# Altium PCB BSU.PcbDoc (part 3 of 3)
Units mm, origin at the board's own origin, x right, y up, seen from the top; angles counter-clockwise.
Board outline 255 x 100 mm, 4 copper layers (Top Cu, PWR, GND, Bottom Cu), stack 1.586 mm thick; 353 components, 279 nets, 1164 pads, 377 vias.
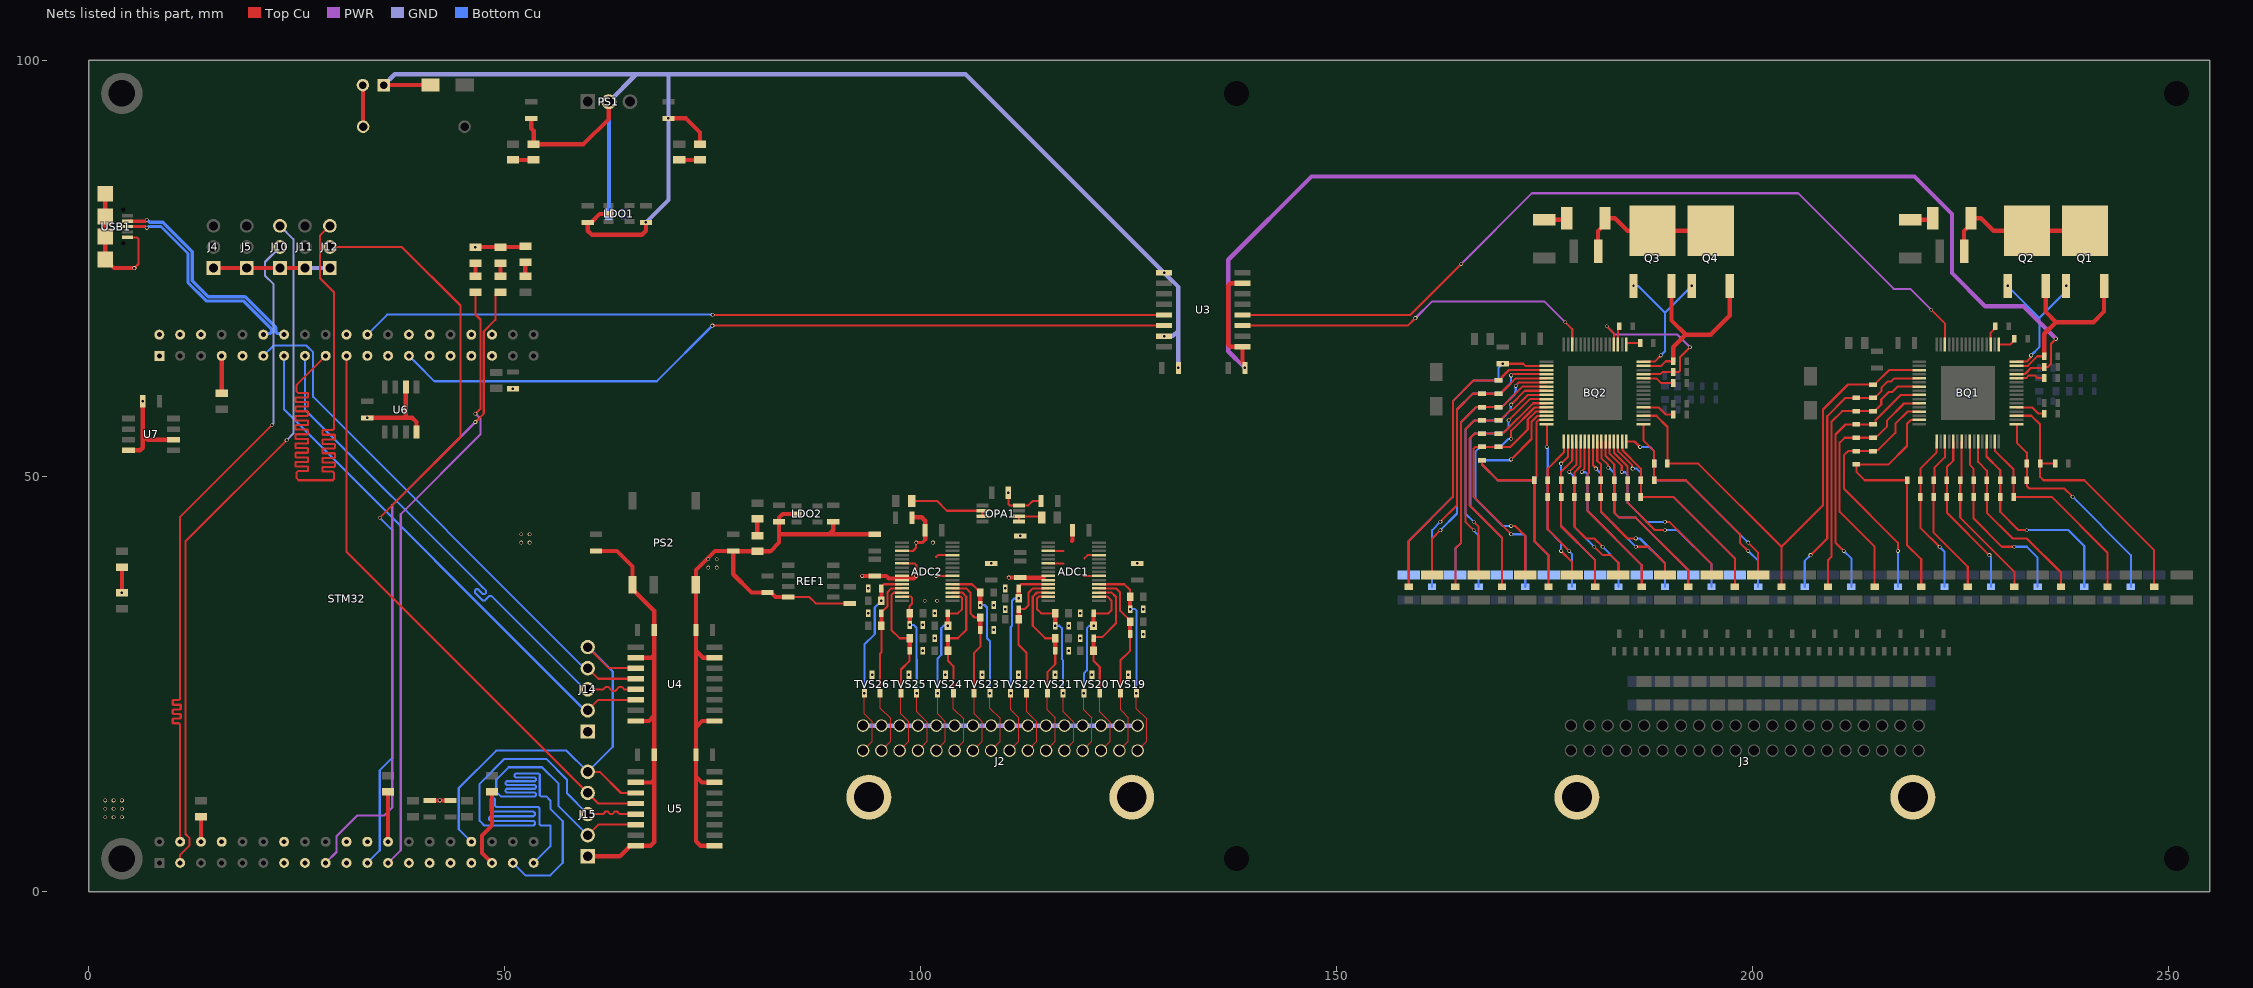
[diagram p5: the nets of this part, all layers, seen from the top]

## Via types
v1: diameter 0.45, hole 0.3, Top Cu to Bottom Cu, tented both sides, 364 vias
v2: diameter 0.45, hole 0.3, Top Cu to Bottom Cu, 13 vias

## Nets (pads, with @x,y where several pads share a name; then routed paths per layer and width w, separated by ;. In a path a pad name is that pad's centre, name@x,y a point inside that pad or via, vN(x,y) a via of type N, cw(c..) or ccw(c..) an arc to the next point about the centre after c; other vN are vias at no path point) (continued)
CB17: BQ2.32 C98.2 C99.1 R66.2 | length 26.1
  Top Cu w0.254: BQ2.32@184.85,54.162 185.838,54.162 v1(186.5,53.5) ; v1(199.5,42) 200.7,40.8 R66.2@200.7,38.1
  Bottom Cu w0.254: v1(186.5,53.5) 187.7,53.5 188.2,53 C98.2@188.2,51.5 C99.1@188.2,49.5 192,49.5 v1(199.5,42)
CB18: BQ2.30 C99.2 C100.1 R67.2 | length 24.5
  Top Cu w0.254: BQ2.30@183.85,54.162 183.873,54.139 183.873,52.985 185.553,51.305 185.553,50.947 v1(185.6,50.9)
  Bottom Cu w0.254: v1(185.6,50.9) 186.1,50.9 186.6,50.4 C99.2@186.6,49.5 C100.1@186.6,47.5 190.5,47.5 197.9,40.1 R67.2@197.9,38.1
CB19: BQ2.28 C100.2 C101.1 R68.2 | length 23
  Top Cu w0.254: BQ2.28@182.85,54.162 182.85,52.697 184.3,51.247 v1(184.3,50.5) ; v1(189.5,44.5) 190,44.5 195.1,39.4 R68.2@195.1,38.1
  Bottom Cu w0.254: v1(184.3,50.5) 184.347,50.453 184.747,50.453 184.998,50.202 184.998,49.502 C101.1@185,49.5 C100.2@185,47.5 185.002,47.498 185.002,46.798 187.3,44.5 v1(189.5,44.5)
CB20: BQ2.26 C101.2 C102.1 R69.2 | length 21.6
  Top Cu w0.254: BQ2.26@181.85,54.162 181.85,52.15 182.658,51.342 182.658,51.042 v1(182.7,51)
  Bottom Cu w0.254: v1(182.7,51) 182.767,51 183.4,50.367 C102.1@183.4,47.5 183.4,45.6 184,45 186,45 189,42 192.3,38.7 R69.2@192.3,38.1
CB21: BQ2.24 C102.2 C103.1 R70.2 | length 20.5
  Top Cu w0.254: BQ2.24@180.85,54.162 180.85,51.317 181.2,50.967 v1(181.2,50.9) ; v1(186,41.5) 187.5,41.5 189.5,39.5 R70.2@189.5,38.1
  Bottom Cu w0.254: v1(181.2,50.9) 181.8,50.3 C102.2@181.8,47.5 181.8,45.7 v1(186,41.5)
CB22: BQ2.22 C103.2 C104.1 R71.2 | length 19.4
  Top Cu w0.254: v1(179.5,50.5) 179.5,50.567 179.827,50.894 179.827,54.139 BQ2.22@179.85,54.162
  Bottom Cu w0.254: v1(179.5,50.5) 179.547,50.453 179.947,50.453 180.198,50.202 180.198,49.502 C103.2@180.2,49.5 C104.1@180.2,47.5 180.2,45.8 186.7,39.3 R71.2@186.7,38.1
CB23: BQ2.20 C104.2 C105.1 R72.2 | length 19.4
  Top Cu w0.254: v1(178,50.5) 178.85,51.35 BQ2.20@178.85,54.162 ; v1(181,41.5) 182,40.5 183,40.5 183.9,39.6 R72.2@183.9,38.1
  Bottom Cu w0.254: v1(178,50.5) 178.457,50.043 178.457,49.643 C105.1@178.6,49.5 C104.2@178.6,47.5 178.6,43.9 v1(181,41.5)
CB24: BQ2.18 C105.2 C106.1 R73.2 | length 18.1
  Top Cu w0.254: v1(177,51.5) 177.85,52.35 BQ2.18@177.85,54.162
  Bottom Cu w0.254: v1(177,51.5) C105.2@177,49.5 177,44 181.1,39.9 R73.2@181.1,38.1
CB25: BQ2.16 C106.2 C107.1 R74.2 | length 19.4
  Top Cu w0.254: BQ2.16@175.262,56.25 175.277,56.25 175.3,56.227 v1(175.3,53.5) ; v1(177,41) 178.3,39.7 R74.2@178.3,38.1
  Bottom Cu w0.254: v1(175.3,53.5) 175.3,53.447 175.4,53.347 C107.1@175.4,49.5 C106.2@175.4,47.5 175.4,43.6 177,42 v1(177,41)
CB26: BQ2.14 C107.2 C108.1 R75.2 | length 30.9
  Top Cu w0.254: v1(171,52) 173.454,54.454 173.454,56.534 174.147,57.227 175.239,57.227 BQ2.14@175.262,57.25
  Bottom Cu w0.254: v1(171,52) 170.947,52 170.847,51.9 C108.1@167.5,51.9 167.502,51.898 167.502,51.398 169.4,49.5 C107.2@173.8,49.5 173.8,42.2 175.5,40.5 R75.2@175.5,38.1
CB27: BQ2.12 C108.2 C109.1 R76.2 | length 29.5
  Top Cu w0.254: v1(171,44) 171.5,44 172.7,42.8 R76.2@172.7,38.1 ; v1(171,54.5) 171,55.442 173.808,58.25 BQ2.12@175.262,58.25
  Bottom Cu w0.254: v1(171,44) 170,44 166.703,47.297 166.703,52.903 167.3,53.5 C108.2@167.5,53.5 C109.1@169.5,53.5 169.7,53.5 170.663,54.462 170.962,54.462 v1(171,54.5)
CB28: BQ2.10 C109.2 C110.1 R77.2 | length 29.7
  Top Cu w0.254: v1(170.7,56.7) 173.25,59.25 BQ2.10@175.262,59.25
  Bottom Cu w0.254: R77.2@169.9,38.1 169.9,42.6 166.105,46.395 166.105,54.605 166.6,55.1 C110.1@167.5,55.1 C109.2@169.5,55.1 169.635,55.235 170.135,55.235 170.7,55.8 v1@170.7,56.698
CB29: BQ2.8 C110.2 C111.1 R78.2 | length 30.2
  Top Cu w0.254: v1(166.5,44.5) 167.1,43.9 R78.2@167.1,38.1 ; v1(171.008,58.592) 171.008,58.608 172.65,60.25 BQ2.8@175.262,60.25
  Bottom Cu w0.254: v1(166.5,44.5) 165.5,45.5 165.5,55.6 166.6,56.7 C110.2@167.5,56.7 169.7,56.7 169.843,56.843 170.961,57.961 170.961,58.545 v1(171.008,58.592)
CB30: BQ2.6 C111.2 C112.1 R79.2 | length 31.5
  Top Cu w0.254: v1(171.558,60.842) 171.558,60.905 171.903,61.25 BQ2.6@175.262,61.25
  Bottom Cu w0.254: R79.2@164.3,38.1 164.3,41.3 165,42 165,56.5 166.798,58.298 167.498,58.298 C112.1@167.5,58.3 C111.2@169.5,58.3 169.643,58.443 170.043,58.443 171.467,59.867 171.467,60.084 171.558,60.175 v1(171.558,60.842)
CB31: BQ2.4 C112.2 C113.1 R80.2 | length 34.2
  Top Cu w0.254: R80.2@161.5,38.1 161.5,42.5 v1(162.5,43.5) ; v1(171,62.1) 171.067,62.1 171.217,62.25 BQ2.4@175.262,62.25
  Bottom Cu w0.254: v1(162.5,43.5) 164.5,45.5 164.5,58 166.4,59.9 C112.2@167.5,59.9 C113.1@169.5,59.9 169.7,59.9 169.843,60.043 170.994,61.194 170.994,62.094 v1(171,62.1)
CB32: BQ2.2 C113.2 C131.1 R81.2 | length 37.2
  Top Cu w0.254: v1(170,63.5) 172.466,63.5 172.716,63.25 BQ2.2@175.262,63.25
  Bottom Cu w0.254: R81.2@158.7,38.1 158.7,42.2 164,47.5 164,59 166.5,61.5 C113.2@169.5,61.5 169.5,63 v1(170,63.5)
CVDD1: BQ1.45 C9.1 C26.2 U3.1 U3.7 | length 151
  Top Cu w0.254: BQ1.45@231.738,62.25 231.761,62.273 232.773,62.273 233.5,63 235,63 C9.1@235.1,63.1 235.5,63.1 235.9,63.5 235.9,65.9 v1(236.5,66.5)
  Top Cu w0.512: U3.7@138.725,73.175 137.3,73.175 137,72.875 137,65.855 137.3,65.555 U3.1@138.725,65.555 138.725,63.7 139,63.425 v1(139,63)
  PWR w0.512: v1(139,63) 137,65 137,76 147,86 219.5,86 224,81.5 224,74.4 228,70.4 232.6,70.4 v1(236.5,66.5)
CVDD2: BQ2.45 BQ2.52 C10.1 | length 21.4
  Top Cu w0.254: v1(182.5,68) 183.35,67.15 BQ2.52@183.35,65.838 ; BQ2.45@186.938,62.25 188.95,62.25 189.2,62.5 C10.1@190.5,62.5 191.151,62.5 191.3,62.649 191.3,64.3 v1(192.5,65.5)
  PWR w0.254: v1(182.5,68) 183.5,67 191,67 v1(192.5,65.5)
EADC1_MISO: J14.4 STM32.45 U4.6 | length 64.2
  Top Cu w0.254: J14.4@60,21.825 61.27,23.095 U4.6@65.775,23.095
  Bottom Cu w0.254: STM32.45@23.5,64.46 23.5,58 59.675,21.825 J14.4@60,21.825
EADC1_MOSI: J14.3 STM32.46 U4.5 | length 64.8
  Top Cu w0.254: J14.3@60,24.365 61.756,24.365 61.883,24.365 62.172,24.654 62.472,24.654 62.976,24.15 63.276,24.15 63.78,24.654 64.08,24.654 64.369,24.365 64.5,24.365 U4.5@65.775,24.365
  Bottom Cu w0.254: STM32.46@26,64.46 26,58 47,37 47.207,36.793 47.783,36.217 47.783,35.982 47.627,35.825 47.392,35.825 46.816,36.401 46.581,36.401 46.424,36.244 46.424,36.009 47.392,35.041 47.627,35.041 48.175,35.59 48.178,35.593 48.407,35.593 48.41,35.59 48.5,35.5 59.635,24.365 J14.3@60,24.365
EADC1_SCK: J14.2 STM32.44 U4.4 | length 65
  Top Cu w0.254: J14.2@60,26.905 61.27,25.635 U4.4@65.775,25.635
  Bottom Cu w0.254: STM32.44@21,64.46 22.24,65.7 26.147,65.7 26.981,64.866 26.981,59.519 59.172,27.328 59.179,27.328 59.602,26.905 J14.2@60,26.905
EADC2_MISO: J15.4 STM32.18 U5.6 | length 70.7
  Top Cu w0.254: J15.4@60,6.825 61.27,8.095 U5.6@65.775,8.095
  Bottom Cu w0.254: STM32.18@51,3.5 52.5,2 55.5,2 57,3.5 57,8.5 55.5,10 55.5,11 55,11.5 54.5,11.5 54.37,11.5 54.237,11.633 54.237,11.636 54.237,14.088 54.101,14.224 51.346,14.224 51.209,14.088 51.209,13.906 51.346,13.77 53.647,13.77 53.783,13.634 53.783,13.452 53.647,13.316 50.263,13.316 50.127,13.18 50.127,12.998 50.263,12.862 53.647,12.862 53.783,12.726 53.783,12.544 53.647,12.408 50.263,12.408 50.127,12.272 50.127,12.09 50.263,11.954 53.647,11.954 53.783,11.818 53.783,11.636 53.647,11.5 50,11.5 49.55,11.5 49,12.05 49,13.5 50.5,15 54.5,15 56.5,13 56.5,10.325 J15.4@60,6.825
EADC2_MOSI: J15.3 STM32.19 U5.5 | length 70
  Top Cu w0.254: J15.3@60,9.365 61.7,9.365 61.827,9.365 62.138,9.676 62.392,9.676 62.703,9.365 62.957,9.365 63.267,9.676 63.521,9.676 63.832,9.365 64,9.365 U5.5@65.775,9.365
  Bottom Cu w0.254: STM32.19@53.5,3.5 55.5,5.5 55.5,8 54.5,8 54.369,8 54.207,8.162 54.207,8.166 54.207,10.05 54.041,10.216 49.013,10.216 48.847,10.382 48.847,11.158 48.681,11.324 48.459,11.324 48.293,11.158 48.293,9.828 48.459,9.662 53.487,9.662 53.653,9.496 53.653,9.274 53.487,9.108 48.293,9.108 48.127,8.942 48.127,8.72 48.293,8.554 53.487,8.554 53.653,8.388 53.653,8.166 53.487,8 48,8 47.562,8 47,8.562 47,13 50,16 55,16 57.5,13.5 57.5,11.865 J15.3@60,9.365
EADC2_SCK: J15.2 STM32.48 U5.4 | length 70.9
  Top Cu w0.254: STM32.48@31,64.46 31,40.905 J15.2@60,11.905 61.27,10.635 U5.4@65.775,10.635
EADC_CS: J14.1 J15.1 STM32.35 U4.3 U5.3 | length 56.7
  Top Cu w0.254: J15.1@60,14.445 61.457,14.445 63.997,11.905 U5.3@65.775,11.905 ; J14.1@60,29.445 62.54,26.905 U4.3@65.775,26.905
  Bottom Cu w0.254: STM32.35@46,6.04 44.5,7.54 44.5,12.5 49,17 57.445,17 J15.1@60,14.445 63,17.445 63,26.5 60.055,29.445 J14.1@60,29.445
GND: C17.1 C18.1 C19.1 C20.1 C21.1 C25.1 C27.1 C29.1 C30.1 C32.1 C62.1 C63.1 C64.1 D1.2 J1.2 J4.3 J5.3 J10.3 J11.3 J12.3 J14.5 J15.5 LDO1.2 LED1.1 LED2.1 LED4.1 LED5.1 LED6.1 NTC1.1 NTC2.1 NTC3.1 PS1.2 PS2.1 STM32.10 STM32.23 STM32.29 STM32.30 STM32.43 STM32.67 STM32.73 U3.9 U3.15 U4.2 U4.8 U5.2 U5.8 U6.2 U6.8 U7.2 U7.8 USB1.5 USB1.MP1 USB1.MP2 USB1.MP3 USB1.MP4 | length 315.3
  Top Cu w0.254: USB1.5@4.675,78.7 5.8,78.7 6,78.5 6,75.5 v1(5.5,75)
  Top Cu w0.512: USB1.MP1@2,83.95 USB1.MP2@2,81.2 USB1.MP3@2,78.8 USB1.MP4@2,76.05 3.05,75 v1(5.5,75) ; v1(4,35.95) NTC2.1@4,39.05 ; U7.8@4.775,53.095 6.195,53.095 6.5,53.4 6.5,54.975 ; v1(6.5,59) 6.5,54.975 ; U7.2@10.225,54.365 7.11,54.365 6.5,54.975 ; J4.3@15,75 J5.3@19,75 J10.3@23,75 J11.3@26,75 ; v1(33.5,57) 38.022,57 ; J1.2@35.5,97 D1.2@41.1,97 ; U6.2@38.135,60.725 38.135,57.113 38.022,57 ; U6.8@39.405,55.275 39.4,55.28 39.4,56.5 38.9,57 38.022,57 ; C62.1@41,11 v1(42.2,11) C63.1@43.5,11 ; v1(46.5,77.5) 46.55,77.55 52.45,77.55 LED6.1@52.5,77.6 ; C19.1@53.2,93 53.2,91.8 53.5,91.5 LED1.1@53.5,89.9 59.5,89.9 62.54,92.94 PS1.2@62.54,95 ; J15.5@60,4.285 63.855,4.285 65.125,5.555 U5.8@65.775,5.555 67.555,5.555 68,6 68,13.5 ; C21.1@61,41 63.5,41 65.38,39.12 PS2.1@65.38,36.95 65.38,36.4 68,33.78 C32.1@68,31.5 68,28.475 ; LDO1.2@62.5,81.55 62.456,81.506 61.431,81.506 60.425,80.5 C18.1@60,80.5 60,79.5 60.5,79 66.5,79 67,79.5 v1(67,80.5) ; U5.2@65.775,13.175 67.675,13.175 68,13.5 ; U4.8@65.775,20.555 67.355,20.555 68,21.2 ; U4.2@65.775,28.175 67.7,28.175 68,28.475 ; v1(69.7,93) 71.8,93 73.5,91.3 LED2.1@73.5,89.9 ; 68,13.5 C27.1@68,16.5 68,21.2 ; 68,21.2 68,28.475
  GND w0.512: J11.3@26,75 J12.3@29,75 ; J1.2@35.5,97 36.8,98.3 65.84,98.3 ; PS1.2@62.54,95 65.84,98.3 ; v1(67,80.5) 69.7,83.2 v1(69.7,93) 69.7,98.3 ; v1(129.275,66.825) 130.323,66.825 131,67.502 ; v1(131,63) 131,67.502 ; 65.84,98.3 69.7,98.3 ; 69.7,98.3 105.42,98.3 v1(129.275,74.445) 131,72.72 131,67.502
  Bottom Cu w0.512: PS1.2@62.54,95 62.545,94.995 62.545,81.505 NTC3.1@62.55,81.5
  other v1: 51,60.5
  other v2: 2,9 3,9 4,9 2,10 3,10 4,10 2,11 3,11 4,11 52,42 53,42 52,43 53,43
GPI_CH0: STM32.51 U3.14 | length 94.8
  Top Cu w0.254: v1@75,68.095 U3.14@129.275,68.095
  Bottom Cu w0.254: STM32.51@38.5,64.46 39.415,63.545 41.56,61.4 68.299,61.4 v1(74.994,68.095)
GPI_CH1: STM32.68 U3.13 | length 96.8
  Top Cu w0.254: v1(75,69.4) 75.018,69.383 129.258,69.383 U3.13@129.275,69.365
  Bottom Cu w0.254: STM32.68@33.5,67 35.9,69.4 v1(75,69.4)
GPI_CH2: STM32.60
GPI_CH3: STM32.74
GPO_CH0: STM32.71
GPO_CH1: STM32.70
GPO_CH2: STM32.59
GPO_CH3: STM32.49
GPO_CH4: STM32.50
GPO_CH5: STM32.55
HSE_IN: STM32.15
HSE_OUT: STM32.16
I2C_SCL: J12.1 STM32.47 | length 92.1
  Top Cu w0.254: STM32.47@28.5,64.46 25,60.96 25,60.472 25,60.156 25.149,60.007 26.31,60.007 26.365,59.952 26.365,59.508 26.31,59.453 24.907,59.453 24.852,59.398 24.852,58.954 24.907,58.899 26.31,58.899 26.365,58.844 26.365,58.4 26.31,58.345 24.907,58.345 24.852,58.29 24.852,57.846 24.907,57.791 26.31,57.791 26.365,57.736 26.365,57.292 26.31,57.237 24.907,57.237 24.852,57.182 24.852,56.738 24.907,56.683 26.31,56.683 26.365,56.628 26.365,56.184 26.31,56.129 24.907,56.129 24.852,56.074 24.852,55.63 24.907,55.575 26.31,55.575 26.365,55.52 26.365,55.076 26.31,55.021 24.907,55.021 24.852,54.966 24.852,54.522 24.907,54.467 26.31,54.467 26.365,54.412 26.365,53.968 26.31,53.913 24.907,53.913 24.852,53.858 24.852,53.414 24.907,53.359 26.31,53.359 26.365,53.304 26.365,52.86 26.31,52.805 24.907,52.805 24.852,52.75 24.852,52.306 24.907,52.251 26.31,52.251 26.365,52.196 26.365,51.752 26.31,51.697 24.907,51.697 24.852,51.642 24.852,51.198 24.907,51.143 26.31,51.143 26.365,51.088 26.365,50.644 26.31,50.589 25.149,50.589 25,50.44 25,49.759 25,49.749 25.249,49.5 29.351,49.5 29.5,49.649 29.5,50 29.5,50.381 29.351,50.529 28.16,50.529 28.105,50.585 28.105,51.028 28.16,51.083 29.541,51.083 29.596,51.139 29.596,51.582 29.541,51.637 28.16,51.637 28.105,51.693 28.105,52.136 28.16,52.191 29.541,52.191 29.596,52.247 29.596,52.69 29.541,52.745 28.16,52.745 28.105,52.801 28.105,53.244 28.16,53.299 29.541,53.299 29.596,53.355 29.596,53.798 29.541,53.853 28.16,53.853 28.105,53.909 28.105,54.352 28.16,54.407 29.541,54.407 29.596,54.463 29.596,54.906 29.541,54.961 28.16,54.961 28.105,55.017 28.105,55.46 28.16,55.515 29.351,55.515 29.5,55.664 29.5,56.345 29.5,72.1 27.794,73.806 27.794,78.874 J12.1@29,80.08
I2C_SDA: J12.2 STM32.11 | length 91.5
  Top Cu w0.254: J12.2@29,77.54 37.66,77.54 44.7,70.5 44.7,54.7 v1(35,45)
  Bottom Cu w0.254: STM32.11@33.5,3.5 35,5 35,14.625 36.5,16.125 36.5,43.5 v1(35,45)
LDOIN1: BQ1.47 C7.2 Q1.3 Q2.3 | length 22.8
  Top Cu w0.254: BQ1.47@231.738,63.25 233.107,63.25 234.257,64.4 C7.2@235.1,64.4
  Top Cu w0.512: C7.2@235.1,64.4 235.1,67.1 236.5,68.5 ; Q2.3@235.286,72.85 235.286,69.714 236.5,68.5 ; Q1.3@242.286,72.85 242.286,69.786 241,68.5 236.5,68.5
LDOIN2: BQ2.47 C8.2 Q3.3 Q4.3 | length 24
  Top Cu w0.254: BQ2.47@186.938,63.25 189.05,63.25 189.6,63.8 C8.2@190.5,63.8
  Top Cu w0.512: Q3.3@190.286,72.85 190.286,68.714 192,67 ; C8.2@190.5,63.8 190.5,65.5 192,67 ; Q4.3@197.286,72.85 197.286,69.286 195,67 192,67
LED_PWR: R8.2 STM32.12 | length 73.9
  Top Cu w0.254: v1(46.5,57.5) 47.1,58.1 47.1,68.826 46.5,69.426 R8.2@46.5,72.1
  PWR w0.254: STM32.12@36,3.5 37.519,5.019 37.519,45.419 47.106,55.006 47.106,56.894 v1(46.5,57.5)
LED_STS: R9.2 STM32.9 | length 79.4
  Top Cu w0.254: v1(46.5,56.5) 47.5,57.5 47.5,67.387 48.902,68.789 48.902,71.777 49.225,72.1 R9.2@49.5,72.1
  PWR w0.254: STM32.9@28.5,3.5 29.8,4.8 29.8,6.7 32.3,9.2 35.547,9.2 36.5,10.153 36.5,46.5 v1(46.5,56.5)
LSE_IN: STM32.13
LSE_OUT: STM32.14
NetBQ1_37: BQ1.37 C15.2 | length 3.7
  Top Cu w0.254: BQ1.37@231.738,58.25 233.65,58.25 234.4,57.5 C15.2@235.1,57.5
NetBQ1_44: BQ1.44 C11.2 | length 3.6
  Top Cu w0.254: BQ1.44@231.738,61.75 231.761,61.773 232.916,61.773 233.249,62.106 233.95,62.106 234.256,61.8 C11.2@235.1,61.8
NetBQ1_49: BQ1.49 C5.1 | length 2.2
  Top Cu w0.254: BQ1.49@229.65,65.838 231.038,65.838 231.5,66.3 C5.1@231.5,66.5
NetBQ1_51: BQ1.51 C3.1 | length 2.4
  Top Cu w0.254: BQ1.51@228.65,65.838 228.65,67.25 229.2,67.8 C3.1@229.2,68
NetBQ2_37: BQ2.37 C16.2 | length 3.9
  Top Cu w0.254: BQ2.37@186.938,58.25 188.749,58.25 189.599,57.4 C16.2@190.5,57.4
NetBQ2_44: BQ2.44 C12.2 | length 3.8
  Top Cu w0.254: BQ2.44@186.938,61.75 188.45,61.75 189,61.2 C12.2@190.5,61.2
NetBQ2_49: BQ2.49 C6.1 | length 1.8
  Top Cu w0.254: BQ2.49@184.85,65.838 184.85,65.977 184.873,66 C6.1@186.5,66
NetBQ2_51: BQ2.51 C4.1 | length 2.2
  Top Cu w0.254: BQ2.51@183.85,65.838 183.85,67.65 184,67.8 C4.1@184,68
NetC1_1: C1.1 Q1.4 Q2.4 R1.1 | length 18.7
  Top Cu w0.512: C1.1@225.45,77 225.45,79.475 226.3,80.325 R1.1@226.3,81 227.5,81 229,79.5 Q2.4@233,79.5 Q1.4@240,79.5
NetC2_1: C2.1 Q3.4 Q4.4 R3.1 | length 17.7
  Top Cu w0.512: C2.1@181.45,77 181.45,79.475 182.3,80.325 R3.1@182.3,81 183.5,81 185,79.5 Q3.4@188,79.5 Q4.4@195,79.5
NetJ3_MH1: J3.MH1 J3.MH2
NetLED1_2: LED1.2 R5.1 | length 2.5
  Top Cu w0.512: R5.1@51,88 LED1.2@53.5,88
NetLED2_2: LED2.2 R6.1 | length 2.5
  Top Cu w0.512: R6.1@71,88 LED2.2@73.5,88
NetLED3_2: LED3.2 R7.1 | length 2
  Top Cu w0.512: LED3.2@80.39,42.85 R7.1@80.39,44.85
NetLED4_2: LED4.2 R8.1 | length 1.6
  Top Cu w0.512: R8.1@46.5,74 LED4.2@46.5,75.6
NetLED5_2: LED5.2 R9.1 | length 1.6
  Top Cu w0.512: R9.1@49.5,74 LED5.2@49.5,75.6
NetLED6_2: LED6.2 R10.1 | length 1.7
  Top Cu w0.512: R10.1@52.5,74 LED6.2@52.5,75.7
NetOPA1_1: OPA1.1 OPA1.2 R11.1 | length 3.4
  Top Cu w0.254: OPA1.1@111.862,44.525 OPA1.2@111.862,45.175 111.878,45.159 114.391,45.159 R11.1@114.55,45
NetOPA1_6: OPA1.6 OPA1.7 R12.1 | length 9.6
  Top Cu w0.254: R12.1@98.95,47 102,47 103.175,45.825 OPA1.6@107.462,45.825 OPA1.7@107.462,45.175
NetR1_2: R1.2 R2.1 | length 2.8
  Top Cu w0.512: R2.1@219,80.8 221.5,80.8 R1.2@221.7,81
NetR3_2: R3.2 R4.1 | length 2.8
  Top Cu w0.254: R3.2@177.5,80.8 R3.2@177.7,81
  Top Cu w0.512: R4.1@175,80.8 R3.2@177.5,80.8
NetSB1_1: SB1.1 STM32.17 | length 9.5
  Top Cu w0.512: STM32.17@48.5,3.5 47.3,4.7 47.3,6.8 48.5,8 SB1.1@48.5,12.05
NetSB2_2: SB2.2 STM32.31 | length 6
  Top Cu w0.512: STM32.31@36,6.04 SB2.2@36,12.075
NetSB3_2: SB3.2 STM32.22 | length 3
  Top Cu w0.512: STM32.22@13.5,6.04 SB3.2@13.5,9.05
NetSB4_1: SB4.1 STM32.42 | length 4.5
  Top Cu w0.512: SB4.1@16,59.95 STM32.42@16,64.46
NFAULT1_HV: BQ1.62 U3.4 | length 99.3
  Top Cu w0.254: U3.4@138.881,69.36 158.86,69.36 v1(165,75.5) ; v1(221.5,70) 223.15,68.35 BQ1.62@223.15,65.838
  PWR w0.254: v1(165,75.5) 173.5,84 205.5,84 217,72.5 219,72.5 v1(221.5,70)
NFAULT2_HV: BQ2.62 U3.3 | length 43.9
  Top Cu w0.254: U3.3@138.881,68.09 158.59,68.09 v1(159.5,69) ; v1(177.5,68.5) 178.35,67.65 BQ2.62@178.35,65.838
  PWR w0.254: v1(159.5,69) 161.5,71 175,71 v1(177.5,68.5)
NPNB1: BQ1.48 Q1.1 Q2.1 | length 17.7
  Top Cu w0.254: BQ1.48@231.738,63.75 232.95,63.75 233.5,64.3 v1(233.5,64.5)
  Bottom Cu w0.254: v1(230.714,72.85) 230.714,72.797 230.812,72.699 230.812,72.688 234.5,69 ; v1(233.5,64.5) 234.5,65.5 234.5,69 ; v1(237.714,72.85) 237.714,72.214 234.5,69
NPNB2: BQ2.48 Q3.1 Q4.1 | length 17.4
  Top Cu w0.254: BQ2.48@186.938,63.75 188.25,63.75 v1(189,64.5)
  Bottom Cu w0.254: v1(185.714,72.85) 186.286,72.85 189.5,69.636 ; v1(189,64.5) 189.5,65 189.5,69.636 ; v1(192.714,72.85) 189.5,69.636
NRST: STM32.26
PWM_CH0: STM32.52
PWM_CH1: STM32.53
PWM_CH2: STM32.58
PWM_CH3: STM32.39
RTD0+: ADC1.20 C46.2 J2.17 R13.1 TVS19.2 | length 25
  Top Cu w0.15: v1(125.95,23.9) 125.95,22.048 127.2,20.798 127.2,18.1 J2.17@126.1,17
  Top Cu w0.254: ADC1.20@121.438,37 124.5,37 125.2,36.3 R13.1@125.2,35.5
  Top Cu w0.512: v1(125.2,34) R13.1@125.2,35.5
  Bottom Cu w0.254: v1(125.2,34) 125.8,34 125.95,33.85 v1(125.95,23.9)
RTD0-: ADC1.3 ADC1.6 ADC1.9 ADC1.10 ADC1.22 ADC1.27 ADC2.3 ADC2.6 ADC2.9 ADC2.10 ADC2.22 ADC2.27 C22.1 C23.1 C24.1 C28.1 C31.1 C33.2 C34.2 C35.2 C36.2 C37.1 C38.1 C39.2 C40.1 C41.1 C42.1 C43.1 C44.1 C45.1 C46.1 C47.1 C48.1 C49.1 C50.1 C51.1 C52.1 C53.1 C54.1 C55.1 C56.1 C57.1 C58.1 C59.1 C60.1 C61.1 J2.1 J2.2 J2.3 J2.4 J2.5 J2.6 J2.7 J2.8 J2.9 J2.10 J2.11 J2.12 J2.13 J2.14 J2.15 J2.16 J2.MH1 J2.MH2 LDO2.2 LED3.1 OPA1.4 PS2.4 REF1.4 TVS19.3 TVS20.3 TVS21.3 TVS22.3 TVS23.3 TVS24.3 TVS25.3 TVS26.3 U4.9 U4.15 U5.9 U5.15 | length 164.3
  Top Cu w0.254: REF1.4@84.1,35.46 86.64,35.46 87.4,34.7 C40.1@91.5,34.7 ; 97.762,37.7 ADC2.9@97.762,38 ; ADC2.6@97.762,39.5 99.3,39.5 99.5,39.3 v1(99.5,38) ; ADC2.3@97.762,41 99.1,41 99.462,41.362 99.462,41.962 v1(99.5,42) ; v1(101.9,38) ADC2.22@103.838,38 ; 101.9,40.3 102.1,40.5 ADC2.27@103.838,40.5 ; v1(110.558,48.006) 110.558,46.642 110.725,46.475 112.975,46.475 113.5,47 C44.1@114.5,47 ; ADC1.6@115.362,39.5 117.2,39.5 ; ADC1.3@115.362,41 117.2,41 ; 119.6,38 ADC1.22@121.438,38 ; 119.7,40.1 120.1,40.5 ADC1.27@121.438,40.5
  Top Cu w0.384: v1(99.5,42) 100.2,42 100.562,42.362
  Top Cu w0.512: U5.9@75.225,5.555 73.545,5.555 73,6.1 73,13.9 ; U5.15@75.225,13.175 73.725,13.175 73,13.9 ; U4.9@75.225,20.555 73.755,20.555 73,19.8 ; U4.15@75.225,28.175 73.825,28.175 73,29 ; REF1.4@84.1,35.46 82.565,35.46 82.025,36 C39.2@81.6,36 79.7,36 77.5,38.2 C22.1@77.5,41 ; LDO2.2@85.1,45.45 83.45,45.45 83,45 C23.1@83,44.5 83,43 ; C24.1@89.5,44.5 89.5,43.5 89,43 ; v1(93,38) C36.2@94.5,38 95.9,38 96.2,37.7 97.762,37.7 99.2,37.7 v1(99.5,38) ; C42.1@94.5,43 89,43 ; C45.1@99,45 99.054,45.054 99.054,45.056 100.144,45.056 100.562,44.638 C34.2@100.562,43.5 100.562,42.362 ; v1(110.6,37.8) C35.2@112,37.8 112.011,37.789 114.856,37.789 ; 118.2,42.2 118.262,42.262 C33.2@118.262,43.5 ; 73,13.9 C28.1@73,16.5 73,19.8 ; 73,19.8 73,29 ; 73,29 C31.1@73,31.5 PS2.4@73,36.95 73,38.7 75.3,41 C22.1@77.5,41 ; C22.1@77.5,41 77.525,40.975 80.365,40.975 LED3.1@80.39,40.95 81.95,40.95 83,42 83,43 ; 83,43 89,43
  GND w0.512: J2.16@93.1,20 J2.15@95.3,20 J2.14@97.5,20 J2.13@99.7,20 J2.12@101.9,20 J2.11@104.1,20 J2.10@106.3,20 J2.9@108.5,20 J2.8@110.7,20 J2.7@112.9,20 J2.6@115.1,20 J2.5@117.3,20 J2.4@119.5,20 J2.3@121.7,20 J2.2@123.9,20 J2.1@126.1,20
  other v1: 94.2,26.1 98.6,26.1 103,26.1 107.4,26.1 111.8,26.1 116.2,26.1 120.6,26.1 125,26.1 100.3,29 117.8,29 101.7,30.5 119.2,30.5 126.8,31 108.8,31.5 117.8,32 100.3,32.1 93.7,33.5 101.7,33.5 119.2,33.5 110.2,34 126.8,34 108.8,34.5 100.5,35 102,35 93.7,36.5 110.2,36.5 74.5,39 75.5,39 108.5,39.5 126.062,39.5 74.5,40 75.5,40 101.5,42 112,42.8
RTD1+: ADC1.19 C47.2 J2.18 R14.1 TVS19.1 | length 23.6
  Top Cu w0.15: J2.18@123.9,17 125,18.1 125,20.948 124.05,21.898 TVS19.1@124.05,23.9
  Top Cu w0.254: ADC1.19@121.438,36.5 123.5,36.5 124,36 124,33.8 125.2,32.6 R14.1@125.2,32.5 ; TVS19.1@124.05,23.9 124.05,27.85 125.2,29 C47.2@125.2,31
  Top Cu w0.512: C47.2@125.2,31 R14.1@125.2,32.5
RTD2+: ADC1.18 C48.2 J2.19 R15.1 TVS20.2 | length 23.7
  Top Cu w0.15: TVS20.2@121.55,23.9 121.55,21.66 122.336,20.873 122.382,20.836 cw(c121.7,20) 122.536,20.682 122.573,20.636 122.756,20.454 122.8,20.41 122.8,18.1 J2.19@121.7,17
  Top Cu w0.254: R15.1@120.8,29 120.8,27.8 121.55,27.05 TVS20.2@121.55,23.9 ; C48.2@120.8,30.5 120.931,30.631 121.831,30.631 123.5,32.3 123.5,35.461 122.938,36.023 121.461,36.023 ADC1.18@121.438,36
  Top Cu w0.512: R15.1@120.8,29 C48.2@120.8,30.5
RTD3+: ADC1.17 C49.2 J2.20 R16.1 TVS20.1 | length 23.3
  Top Cu w0.15: J2.20@119.5,17 120.6,18.1 120.6,20.948 119.65,21.898 v1(119.65,23.9)
  Top Cu w0.254: C49.2@120.8,33.5 122.6,33.5 122.95,33.85 122.95,35.05 122.5,35.5 ADC1.17@121.438,35.5
  Top Cu w0.512: v1(120.8,32) C49.2@120.8,33.5
  Bottom Cu w0.254: v1(119.65,23.9) 119.65,26.302 120,26.652 120,31.7 120.3,32 v1(120.8,32)
RTD4+: ADC1.14 C50.2 J2.21 R17.1 TVS21.2 | length 23.3
  Top Cu w0.15: v1(117.15,23.9) 117.15,21.66 117.936,20.873 117.982,20.836 cw(c117.3,20) 118.136,20.682 118.173,20.636 118.356,20.454 118.4,20.41 118.4,18.1 J2.21@117.3,17
  Top Cu w0.254: ADC1.14@115.362,35.5 114.2,35.5 114,35.3 114,34 114.5,33.5 R17.1@116.2,33.5
  Top Cu w0.512: v1(116.2,32) R17.1@116.2,33.5
  Bottom Cu w0.254: v1(116.2,32) 116.7,32 117,31.7 117,28 117.15,27.85 v1(117.15,23.9)
RTD5+: ADC1.13 C51.2 J2.22 R18.1 TVS21.1 | length 23.6
  Top Cu w0.15: J2.22@115.1,17 116.2,18.1 116.2,20.948 115.25,21.898 TVS21.1@115.25,23.9
  Top Cu w0.254: TVS21.1@115.25,23.9 115.25,26.437 116.2,27.387 C51.2@116.2,29 ; ADC1.13@115.362,36 114,36 113.5,35.5 113.5,32 115,30.5 R18.1@116.2,30.5
  Top Cu w0.512: C51.2@116.2,29 R18.1@116.2,30.5
RTD6+: ADC1.12 C52.2 J2.23 R19.1 TVS22.2 | length 23.8
  Top Cu w0.15: TVS22.2@112.75,23.9 112.75,21.66 113.536,20.873 113.582,20.836 cw(c112.9,20) 113.736,20.682 113.773,20.636 113.956,20.454 114,20.41 114,18.1 J2.23@112.9,17
  Top Cu w0.254: R19.1@111.8,32.8 111.8,29.7 112.75,28.75 TVS22.2@112.75,23.9 ; C52.2@111.8,34 112.5,34 113,34.5 113,36 113.5,36.5 ADC1.12@115.362,36.5
  Top Cu w0.512: R19.1@111.8,32.8 C52.2@111.8,34
RTD7+: ADC1.11 C53.2 J2.24 R20.1 TVS22.1 | length 24.9
  Top Cu w0.15: J2.24@110.7,17 111.8,18.1 111.8,20.948 110.85,21.898 v1(110.85,23.9)
  Top Cu w0.254: C53.2@111.8,36.5 111.8,36.7 112.1,37 ADC1.11@115.362,37
  Top Cu w0.512: v1(111.8,35.3) C53.2@111.8,36.5
  Bottom Cu w0.254: v1(110.85,23.9) 110.85,31.85 111,32 111,35 111.3,35.3 v1(111.8,35.3)
RTD8+: ADC2.20 C54.2 J2.25 R21.1 TVS23.2 | length 24.6
  Top Cu w0.15: v1(108.35,23.9) 108.35,22.107 109.6,20.857 109.6,18.1 J2.25@108.5,17
  Top Cu w0.254: ADC2.20@103.838,37 106.2,37 106.827,36.373 106.927,36.373 107.2,36.1 R21.1@107.2,36
  Top Cu w0.512: v1(107.2,34.5) R21.1@107.2,36
  Bottom Cu w0.254: v1(107.2,34.5) 107.7,34.5 108,34.2 108,30.5 108.35,30.15 v1(108.35,23.9)
RTD9+: ADC2.19 C55.2 J2.26 R22.1 TVS23.1 | length 23.4
  Top Cu w0.15: J2.26@106.3,17 107.4,18.1 107.4,20.448 106.45,21.398 TVS23.1@106.45,23.9
  Top Cu w0.254: ADC2.19@103.838,36.5 105.5,36.5 106,36 106,33.5 106.5,33 R22.1@107.2,33 ; TVS23.1@106.45,23.9 106.45,28.75 107.2,29.5 C55.2@107.2,31.5
  Top Cu w0.512: C55.2@107.2,31.5 R22.1@107.2,33
RTD10+: ADC2.18 C56.2 J2.27 R23.1 TVS24.2 | length 23.2
  Top Cu w0.15: TVS24.2@103.95,23.9 103.95,22.048 105.2,20.798 105.2,18.1 J2.27@104.1,17
  Top Cu w0.254: R23.1@103.3,29 103.3,27.8 103.95,27.15 TVS24.2@103.95,23.9 ; C56.2@103.3,30.5 104.5,30.5 105.5,31.5 105.5,35.5 105,36 ADC2.18@103.838,36
  Top Cu w0.512: R23.1@103.3,29 C56.2@103.3,30.5
RTD11+: ADC2.17 C57.2 J2.28 R24.1 TVS24.1 | length 22.6
  Top Cu w0.15: J2.28@101.9,17 103,18.1 103,20.448 102.05,21.398 v1(102.05,23.9)
  Top Cu w0.254: C57.2@103.3,33.5 104.5,33.5 105.003,34.002 105.003,35.349 104.854,35.497 103.841,35.497 ADC2.17@103.838,35.5
  Top Cu w0.512: v1(103.3,32) C57.2@103.3,33.5
  Bottom Cu w0.254: v1(102.05,23.9) 102.05,28.05 102.5,28.5 102.5,31.7 102.8,32 v1(103.3,32)
RTD12+: ADC2.14 C58.2 J2.29 R25.1 TVS25.2 | length 21.4
  Top Cu w0.15: v1(99.55,23.9) 99.55,21.66 100.336,20.873 100.382,20.836 cw(c99.7,20) 100.536,20.682 100.573,20.636 100.756,20.454 100.8,20.41 100.8,18.1 J2.29@99.7,17
  Top Cu w0.254: ADC2.14@97.762,35.5 98.851,35.5 99,35.351 99,34.681 98.7,34.381 R25.1@98.7,33.5
  Top Cu w0.512: v1(98.7,32.1) R25.1@98.7,33.5
  Bottom Cu w0.254: v1(98.7,32.1) 99.2,32.1 99.5,31.8 99.5,28 99.55,27.95 v1(99.55,23.9)
RTD13+: ADC2.13 C59.2 J2.30 R26.1 TVS25.1 | length 23
  Top Cu w0.15: J2.30@97.5,17 98.6,18.1 98.6,20.448 97.65,21.398 TVS25.1@97.65,23.9
  Top Cu w0.254: TVS25.1@97.65,23.9 97.65,26.75 98.7,27.8 C59.2@98.7,29 ; ADC2.13@97.762,36 97.739,35.977 96.789,35.977 96.5,35.688 96.5,31.5 97.5,30.5 R26.1@98.7,30.5
  Top Cu w0.512: C59.2@98.7,29 R26.1@98.7,30.5
RTD14+: ADC2.12 C60.2 J2.31 R27.1 TVS26.2 | length 22.3
  Top Cu w0.15: TVS26.2@95.15,23.9 95.15,22.107 96.4,20.857 96.4,18.1 J2.31@95.3,17
  Top Cu w0.254: TVS26.2@95.15,23.9 95.15,28.65 95.3,28.8 R27.1@95.3,32 ; C60.2@95.3,33.5 95.3,33.7 95.443,33.843 95.505,33.843 96.027,34.365 96.027,36.027 96.5,36.5 ADC2.12@97.762,36.5
  Top Cu w0.512: R27.1@95.3,32 C60.2@95.3,33.5
RTD15+: ADC2.11 C61.2 J2.32 R28.1 TVS26.1 | length 24
  Top Cu w0.15: J2.32@93.1,17 94.2,18.1 94.2,20.448 93.25,21.398 v1(93.25,23.9)
  Top Cu w0.254: C61.2@95.3,36.5 95.3,36.7 95.6,37 ADC2.11@97.762,37
  Top Cu w0.512: v1(95.3,35) C61.2@95.3,36.5
  Bottom Cu w0.254: v1(93.25,23.9) 93.25,29.75 94.5,31 94.5,34.2 v1(95.3,35)
SWD_CLK: STM32.8
SWD_IO: STM32.7
SWD_TRACE: STM32.54
UART_DBG_RX: J10.2 STM32.21 | length 82.5
  Top Cu w0.254: STM32.21@11,6.04 11,20.012 11,20.139 10.851,20.287 10.165,20.287 10.109,20.343 10.109,20.786 10.165,20.841 11.016,20.841 11.071,20.897 11.071,21.34 11.016,21.395 10.165,21.395 10.109,21.451 10.109,21.894 10.165,21.949 11.016,21.949 11.071,22.005 11.071,22.448 11.016,22.503 10.165,22.503 10.109,22.559 10.109,23.002 10.165,23.057 10.851,23.057 11,23.206 11,23.5 11,45.1 v1(22,56.1)
  GND w0.254: v1(22,56.1) 22.235,56.335 22.235,73.065 21.2,74.1 21.2,75.74 J10.2@23,77.54
UART_DBG_TX: J10.1 STM32.2 | length 83.3
  Top Cu w0.254: STM32.2@11,3.5 11,4.47 12.11,5.58 12.11,6.5 11.639,6.971 11.639,42.147 v1(23.796,54.304)
  GND w0.254: J10.1@23,80.08 24.61,78.47 24.61,55.118 v1(23.796,54.304)
USB_N: STM32.64 USB1.2 | length 27
  Top Cu w0.381: USB1.2@4.675,80.65 4.683,80.643 6.799,80.643 6.981,80.825 v1(7,80.825)
  Bottom Cu w0.381: v1(7,80.825) 7.019,80.825 7.336,80.508 8.91,80.508 12.452,76.967 12.452,73.467 14.358,71.56 18.815,71.56 22.504,67.871 22.504,67.345 22.727,67.122 23.378,67.122 STM32.64@23.5,67
USB_P: STM32.63 USB1.3 | length 26.1
  Top Cu w0.381: USB1.3@4.675,80 4.683,80.008 6.799,80.008 6.981,79.825 v1(7,79.825)
  Bottom Cu w0.381: v1(7,79.825) 7.019,79.825 7.194,80 8.7,80 11.944,76.756 11.944,73.256 14.148,71.052 18.604,71.052 21.996,67.661 21.996,67.345 21.773,67.122 21.122,67.122 STM32.63@21,67
VC0: BQ1.35 C81.1 C82.1 R49.2 | length 33.5
  Top Cu w0.254: BQ1.35@231.43,57.25 BQ1.35@231.738,57.25 233.55,57.25 234.6,56.2 C82.1@234.6,51.5 ; C81.1@236.4,51.5 234.7,51.5 C82.1@234.6,51.5 ; R49.2@248.3,36.7 248.3,41.1 239.9,49.5 235,49.5 234.6,49.9 C82.1@234.6,51.5
VC1: BQ1.33 C82.2 C83.1 R50.2 | length 27.5
  Top Cu w0.254: BQ1.33@231.8,56.101 231.8,54 233,52.8 C82.2@233,51.5 C83.1@233,49.5 ; C83.1@233.002,49.498 233.002,48.798 233.3,48.5 237.5,48.5 v1(238.5,47.5)
  Bottom Cu w0.254: v1(238.5,47.5) 245.5,40.5 R50.2@245.5,36.7
VC2: BQ1.31 C83.2 C84.1 R51.2 | length 25.8
  Top Cu w0.254: BQ1.31@229.15,54.162 229.15,53.05 231.4,50.8 C83.2@231.4,49.5 C84.1@231.4,47.5 231.4,47.497 236.003,47.497 242.7,40.8 R51.2@242.7,36.7
VC3: BQ1.29 C84.2 C85.1 R52.2 | length 25.8
  Top Cu w0.254: BQ1.29@228.15,54.162 228.15,52.35 229.8,50.7 C85.1@229.8,49.5 C84.2@229.8,47.5 229.8,45.7 232,43.5 v1(233,43.5)
  Bottom Cu w0.254: v1(233,43.5) 238,43.5 239.9,41.6 R52.2@239.9,36.7
VC4: BQ1.27 C85.2 C86.1 R53.2 | length 22.6
  Top Cu w0.254: BQ1.27@227.15,54.162 227.15,51.708 228.2,50.658 C85.2@228.2,49.5 C86.1@228.2,47.5 228.2,45.6 231.3,42.5 233,42.5 237.1,38.4 R53.2@237.1,36.7
VC5: BQ1.25 C86.2 C87.1 R54.2 | length 22.6
  Top Cu w0.254: BQ1.25@226.15,54.162 226.15,51.35 226.6,50.9 C87.1@226.6,49.5 C86.2@226.6,47.5 226.6,44.9 230,41.5 v1(231.5,41.5)
  Bottom Cu w0.254: v1(231.5,41.5) 233,41.5 234.3,40.2 R54.2@234.3,36.7
VC6: BQ1.23 C87.2 C88.1 R55.2 | length 20.2
  Top Cu w0.254: C87.2@225,49.5 C88.1@225,47.5 225,45 231.5,38.5 R55.2@231.5,36.7 ; C87.2@225.15,49.5 BQ1.23@225.15,54.162
VC7: BQ1.21 C88.2 C89.1 R56.2 | length 20
  Top Cu w0.254: BQ1.21@224.15,54.162 224.15,51.85 223.4,51.1 C89.1@223.4,49.5 C88.2@223.4,47.5 223.4,45.6 v1(228.5,40.5)
  Bottom Cu w0.254: v1(228.5,40.5) 228.5,40.447 228.7,40.247 R56.2@228.7,36.7
VC8: BQ1.19 C89.2 C90.1 R57.2 | length 19.9
  Top Cu w0.254: C90.1@221.8,47.428 C89.2@221.8,49.5 221.885,49.585 221.885,50.985 223.15,52.25 BQ1.19@223.15,54.162 BQ1.19@223.15,54.289 ; C90.1@221.8,47.5 221.8,43.2 225.9,39.1 R57.2@225.9,36.7
VC9: BQ1.17 C90.2 C91.1 R58.2 | length 19.5
  Top Cu w0.254: BQ1.17@222.15,54.168 BQ1.17@222.15,54.162 222.15,52.85 220.2,50.9 C91.1@220.2,49.5 C90.2@220.2,47.5 220.2,43.8 v1(222.5,41.5)
  Bottom Cu w0.254: v1(222.5,41.5) 223.1,40.9 R58.2@223.1,36.7
VC10: BQ1.15 C91.2 C92.1 R59.2 | length 32.2
  Top Cu w0.254: C91.2@218.6,49.4 218.6,41.7 220.3,40 R59.2@220.3,36.7 ; C91.2@218.6,49.5 213.5,49.5 212.5,50.5 C92.1@212.5,51.4 216.381,51.4 218.6,53.619 218.6,56.3 219.047,56.747 220.059,56.747 BQ1.15@220.062,56.75
VC11: BQ1.13 C92.2 C93.1 R60.2 | length 30.4
  Top Cu w0.254: v1(217.5,41) 217.5,42 211,48.5 211,52.5 211.5,53 C92.2@212.5,53 C93.1@214.5,53 214.643,53.143 215.143,53.143 217.2,55.2 217.2,56.3 218.65,57.75 BQ1.13@220.062,57.75
  Bottom Cu w0.254: R60.2@217.5,36.7 v1(217.5,41)
VC12: BQ1.11 C93.2 C94.1 R61.2 | length 31
  Top Cu w0.254: R61.2@214.7,36.7 214.7,41.5 210.5,45.7 210.5,54 211.1,54.6 C94.1@212.5,54.6 C93.2@214.5,54.6 214.643,54.743 214.943,54.743 216.2,56 216.2,56.7 218.227,58.727 220.039,58.727 BQ1.11@220.062,58.75
VC13: BQ1.9 C94.2 C95.1 R62.2 | length 31.3
  Top Cu w0.254: v1(211,41) 210,42 210,55 211.2,56.2 C94.2@212.5,56.2 C95.1@214.5,56.2 214.642,56.2 214.785,56.343 214.785,56.685 217.85,59.75 BQ1.9@220.062,59.75
  Bottom Cu w0.254: v1(211,41) 211.9,40.1 R62.2@211.9,36.7
VC14: BQ1.7 C95.2 C96.1 R63.2 | length 32.6
  Top Cu w0.254: R63.2@209.1,36.7 209.1,39.9 209.5,40.3 209.5,56.5 210.8,57.8 C96.1@212.5,57.8 C95.2@214.5,57.8 214.7,57.8 214.843,57.943 215.5,58.6 215.5,59.2 216.398,60.098 216.798,60.098 217.45,60.75 BQ1.7@220.062,60.75
VC15: BQ1.5 C96.2 C97.1 R64.2 | length 34.8
  Top Cu w0.254: v1(207,40.5) 209,42.5 209,57.2 211.2,59.4 C96.2@212.5,59.4 C97.1@214.5,59.4 214.7,59.4 215.507,60.207 215.507,60.623 216.261,61.377 216.709,61.377 217.082,61.75 BQ1.5@220.062,61.75
  Bottom Cu w0.254: R64.2@206.3,36.7 206.3,39.8 v1(207,40.5)
VC16: BQ1.3 BQ2.35 C65.1 C97.2 R65.2 | length 62.6
  Top Cu w0.254: BQ2.35@186.938,57.25 186.941,57.247 188.453,57.247 189.8,55.9 C65.1@189.8,51.5 193.5,51.5 203.5,41.5 ; R65.2@203.5,36.7 203.5,41.5 ; BQ1.3@220.062,62.75 216.45,62.75 214.843,61.143 214.7,61 211.5,61 208.5,58 208.5,46.5 203.5,41.5
VC17: BQ2.33 C65.2 C66.1 R32.2 | length 27.5
  Top Cu w0.254: BQ2.33@186.938,56.25 186.938,54.262 188.2,53 C65.2@188.2,51.5 C66.1@188.2,49.5 192,49.5 198.5,43 198.5,42 v1(199.5,41)
  Bottom Cu w0.254: v1(199.5,41) 200.7,39.8 R32.2@200.7,36.7
VC18: BQ2.31 C66.2 C67.1 R33.2 | length 25.4
  Top Cu w0.254: BQ2.31@184.35,54.162 184.373,54.139 184.373,53.127 186.6,50.9 C66.2@186.6,49.5 C67.1@186.6,47.5 190.5,47.5 197.9,40.1 R33.2@197.9,36.7
VC19: BQ2.29 C67.2 C68.1 R34.2 | length 23.9
  Top Cu w0.254: BQ2.29@183.35,54.162 183.35,52.839 185,51.189 C68.1@185,49.5 C67.2@185,47.5 185.002,47.498 185.002,46.798 188.3,43.5 v1(189.5,43.5)
  Bottom Cu w0.254: v1(189.5,43.5) 191,43.5 195.1,39.4 R34.2@195.1,36.7
VC20: BQ2.27 C68.2 C69.1 R35.2 | length 22.8
  Top Cu w0.254: BQ2.27@182.35,54.162 182.35,52.45 183.4,51.4 C68.2@183.4,49.5 C69.1@183.4,47.5 183.4,45.6 184,45 186,45 192.3,38.7 R35.2@192.3,36.7
VC21: BQ2.25 C69.2 C70.1 R36.2 | length 21.7
  Top Cu w0.254: BQ2.25@181.35,54.162 181.354,54.158 181.354,51.846 181.8,51.4 C70.1@181.8,49.5 C69.2@181.8,47.5 181.8,45.7 185,42.5 v1(186,42.5)
  Bottom Cu w0.254: v1(186,42.5) 186.5,42.5 189.5,39.5 R36.2@189.5,36.7
VC22: BQ2.23 C70.2 C71.1 R37.2 | length 20.2
  Top Cu w0.254: BQ2.23@180.35,54.162 180.35,51.922 180.352,51.92 180.352,50.39 180.2,50.238 C71.1@180.2,47.5 180.2,45.8 186.7,39.3 R37.2@186.7,36.7
VC23: BQ2.21 C71.2 C72.1 R38.2 | length 20.6
  Top Cu w0.254: BQ2.21@179.35,54.162 179.35,51.166 178.6,50.416 C72.1@178.6,49.5 C71.2@178.6,47.5 178.6,43.9 180,42.5 181,42.5 v1(182,41.5)
  Bottom Cu w0.254: v1(182,41.5) 183.9,39.6 R38.2@183.9,36.7
VC24: BQ2.19 C72.2 C73.1 R39.2 | length 19.7
  Top Cu w0.254: BQ2.19@178.35,54.162 178.35,51.85 177,50.5 C72.2@177,49.5 177,44 181.1,39.9 R39.2@181.1,36.7
VC25: BQ2.17 C73.2 C74.1 R40.2 | length 19.5
  Top Cu w0.254: BQ2.17@177.35,54.162 177.35,52.834 175.4,50.884 C74.1@175.4,49.5 C73.2@175.4,47.5 175.4,43.6 v1(178,41)
  Bottom Cu w0.254: v1(178,41) 178,40.947 178.3,40.647 R40.2@178.3,36.7
VC26: BQ2.15 C74.2 C75.1 R41.2 | length 29.5
  Top Cu w0.254: C75.1@167.5,51.9 167.502,51.898 167.502,51.398 169.4,49.5 C74.2@173.8,49.5 ; BQ2.15@175.262,56.75 175.239,56.727 174.289,56.727 174.045,56.482 174.045,49.945 173.8,49.7 C74.2@173.8,49.5 ; R41.2@175.5,36.7 175.5,40.5 173.8,42.2 C74.2@173.8,49.5
VC27: BQ2.13 C75.2 C76.1 R42.2 | length 31.4
  Top Cu w0.254: v1(171,43) 166.5,47.5 166.5,53.3 166.7,53.5 C75.2@167.5,53.5 C76.1@169.5,53.5 170.9,53.5 173,55.6 173,56.8 173.95,57.75 BQ2.13@175.262,57.75
  Bottom Cu w0.254: v1(171,43) 172.5,43 172.7,42.8 R42.2@172.7,36.7
VC28: BQ2.11 C76.2 C77.1 R43.2 | length 30.4
  Top Cu w0.254: R43.2@169.9,36.7 169.9,42.6 166,46.5 166,54.5 166.6,55.1 C77.1@167.5,55.1 C76.2@169.5,55.1 169.635,55.235 170.135,55.235 173.65,58.75 BQ2.11@175.262,58.75
VC29: BQ2.9 C77.2 C78.1 R44.2 | length 31
  Top Cu w0.254: v1(166.5,43.5) 165.5,44.5 165.5,55.6 166.6,56.7 C77.2@167.5,56.7 169.7,56.7 171.015,58.015 171.247,58.015 172.982,59.75 BQ2.9@175.262,59.75
  Bottom Cu w0.254: v1(166.5,43.5) 166.5,43.447 167.1,42.847 R44.2@167.1,36.7
VC30: BQ2.7 C78.2 C79.1 R45.2 | length 32.1
  Top Cu w0.254: R45.2@164.3,36.7 164.3,41.3 165,42 165,56.5 166.798,58.298 167.498,58.298 C79.1@167.5,58.3 C78.2@169.5,58.3 169.643,58.443 170.043,58.443 172.35,60.75 BQ2.7@175.262,60.75
VC31: BQ2.5 C79.2 C80.1 R46.2 | length 34.9
  Top Cu w0.254: v1(162.5,44.5) 164.5,46.5 164.5,58 166.4,59.9 C79.2@167.5,59.9 169.7,59.9 169.843,60.043 171.55,61.75 BQ2.5@175.262,61.75
  Bottom Cu w0.254: R46.2@161.5,36.7 161.5,43.5 v1(162.5,44.5)
VC32: BQ2.3 C80.2 R47.2 | length 37.4
  Top Cu w0.254: R47.2@158.7,36.7 158.7,42.2 164,47.5 164,59.012 166.488,61.5 C80.2@169.5,61.5 169.7,61.5 169.843,61.643 169.843,61.843 170.75,62.75 BQ2.3@175.262,62.75
VIN: J1.1 X1.1 | length 5
  Top Cu w0.512: J1.1@32.96,97 32.98,96.98 32.98,92.02 X1.1@33,92
pads on no net: ADC1.1 ADC1.2 ADC1.15 ADC1.16 ADC1.29 ADC1.30 ADC2.1 ADC2.2 ADC2.15 ADC2.16 ADC2.29 ADC2.30 BQ1.40 BQ1.41 BQ1.54 BQ1.55 BQ1.56 BQ1.57 BQ1.58 BQ1.59 BQ1.60 BQ1.61 BQ1.63 BQ1.64 BQ2.42 BQ2.43 BQ2.53 BQ2.54 BQ2.55 BQ2.56 BQ2.57 BQ2.58 BQ2.59 BQ2.60 BQ2.61 BQ2.63 BQ2.64 J3.17 J3.18 J3.19 J3.20 J3.38 J3.39 J3.40 LDO1.4 LDO2.4 PS2.8 REF1.1 REF1.3 REF1.5 REF1.7 REF1.8 STM32.3 STM32.5 STM32.6 STM32.24 STM32.25 STM32.32 STM32.61 STM32.62 STM32.66 STM32.75 STM32.76 U6.5 U7.5 USB1.1 USB1.4 USB1.MH1 USB1.MH2

## Polygon pours and split planes (outlines as drawn)
RTD0- on Top Cu "RTD0-_L01_P019" (solid, pour order 19): 72.5,35.5 72.5,39 75,41.5 81.5,41.5 81.5,40 80,38.5 80,35.5
NetJ3_MH1 on Top Cu "NETJ3_MH1_L01_P017" (solid, pour order 17): 174,14.5 224,14.5 224,6 174,6
BQ1_GND on Top Cu "BQ1_GND_L01_P015" (solid, pour order 15): 233.37,66.03 233.37,68.47 230.53,68.47 230.53,67.53 232.27,67.53 232.83,66.97 232.83,66.03
BQ1_GND on Top Cu "BQ1_GND_L01_P014" (solid, pour order 14): 236.43,59.27 236.432,59.268 239.5,59.268 239.5,57 239.47,57.03 236.43,57.03
BQ1_GND on Top Cu "BQ1_GND_L01_P013" (solid, pour order 13): 236.43,61.33 236.43,64.87 239.5,64.87 239.501,64.869 239.5,64.868 239.5,63 237.7,63 236.97,62.27 236.97,61.33
BQ2_GND on Top Cu "BQ2_GND_L01_P011" (solid, pour order 11): 185.33,67.53 185.33,68.47 188.4,68.47 188.4,65.5 187.8,65.5 187.8,66.5 186.77,67.53
BQ2_GND on Top Cu "BQ2_GND_L01_P010" (solid, pour order 10): 191.83,59.17 191.8,59.14 191.8,56 194.5,56 194.5,58 193.54,58 192.37,59.17
BQ2_GND on Top Cu "BQ2_GND_L01_P009" (solid, pour order 9): 191.83,64.27 191.83,60.73 192.37,60.73 193.64,62 195.3,62 195.3,64.3 195.27,64.27
RTD0- on Top Cu "RTD0-_L01_P004" (solid, remove dead copper, pour order 4): 114.4,37.4 114.4,38.1 116.8,38.1 116.8,37.4
RTD0- on Top Cu "RTD0-_L01_P002" (solid, remove dead copper, pour order 2): 98.55,38.15 96.924,38.15 96.924,37.35 100,37.35 100,38.15
RTD0- on Top Cu "RTD0-_L01_P001" (solid, pour order 1): 99.4,34.5 99.4,35.9 98.9,35.9 98.9,42.5 102,42.5 102,40.7 102.7,40.7 102.7,34.5
RTD0- on Top Cu "RTD0-_L01_P000" (solid, pour order 0): 116.562,34.5 116.562,42.5 119.5,42.5 119.5,40.7 120.262,40.7 120.362,34.5
GND on GND "GND_L03_P018" (solid, pour order 18): 0,100 0,0 68.7,0 68.7,57.3 131.7,57.3 131.7,100
RTD0- on GND "RTD0-_L03_P003" (solid, pour order 3): 72.5,8 72.5,49 130,49 130,8
BQ1_GND on GND "BQ1_GND_L03_P005" (solid, pour order 5): 212,70 242,70 242,46 212,46
BQ2_GND on GND "BQ2_GND_L03_P006" (solid, pour order 6): 166.5,70 196,70 196,46.5 166.5,46.5
GND on Bottom Cu "GND_L04_P016" (solid, pour order 16): 68.5,0.5 68.5,99.5 0.5,99.5 0.5,0.5
RTD0- on Bottom Cu "RTD0-_L04_P020" (solid, pour order 20): 72.5,4.5 72.5,52.7 131.5,52.7 131.5,4.5
BQ1_GND on Bottom Cu "BQ1_GND_L04_P008" (solid, pour order 8): 221.9,56 221.9,64 229.9,64 229.9,56
BQ2_GND on Bottom Cu "BQ2_GND_L04_P007" (solid, pour order 7): 177.1,64 185.1,64 185.1,56 177.1,56

## Silkscreen, mask and mechanical layers (free items; w line width, h text height)
Top Overlay:
  drawing of 84 lines, arcs and shapes, not listed
  text "DEBUG" at 23.667,94.5 h1
  text "+ -" at 31.634,93.601 h2
  text "IBUS PWR" at 13.2,88.5 h1
  text "'.PERTTitle' / V'.PERT-Version' Rev. '.PERT-Revision' / '.PERT-DrawBy'" at 141.5,88.2 h1.5
  text "G L H" at 15.5,82.7 h1 r90
  text "G 3 5" at 19.5,82.7 h1 r90
  text "GNG  TX  RX" at 23.5,82.7 h1 r90
  text "GND   L   H" at 26.5,82.7 h1 r90
  text "GND SDA SCL" at 29.5,82.7 h1 r90
  text "GLV" at 32.668,82.001 h4
  text "REV" at 47,78.7 h1 r90
  text "Status" at 50,78.7 h1 r90
  text "STM" at 53,78.7 h1 r90
  text "Prototype / NOT for use" at 78.6,57.87 h4
  text "STM32F446" at 27.199,10.34 h5 r90
  text "ADC" at 77.468,7.101 h4
  text "!! HV !! / Danger" at 224.354,3.604 h5
  text "!! HV !! / Danger" at 140.554,1.652 h5
Bottom Overlay:
  text "JLCJLCJLC" at 94.932,93.7 h1
Board Shape:
  the board outline again, w0.1
Layout:
  lines w0.1: 69,3 72,3 72,50 69,50 69,3 ; 73,53 125,53 125,57 73,57 73,53 ; 132,15 132,50 136,50 136,15 132,15 ; 132,60 132,90 136,90 136,60 132,60 ; 201.5,45 201.5,70 205.5,70 205.5,45 201.5,45
  lines w0.254: 70.5,0 70.5,70 ; 70.5,55 134,55 ; 70.6,70.4 250.1,70.4 ; 134,0 134,70